# Altium PCB EnvNode.PcbDoc
Units mil, origin at the board's own origin, x right, y up, seen from the top; angles counter-clockwise.
Board outline 2189.76 x 2598.43 mil, 2 copper layers (Top Layer, Bottom Layer), stack 65.792 mil thick; 14 components, 14 nets, 72 pads, 30 vias.
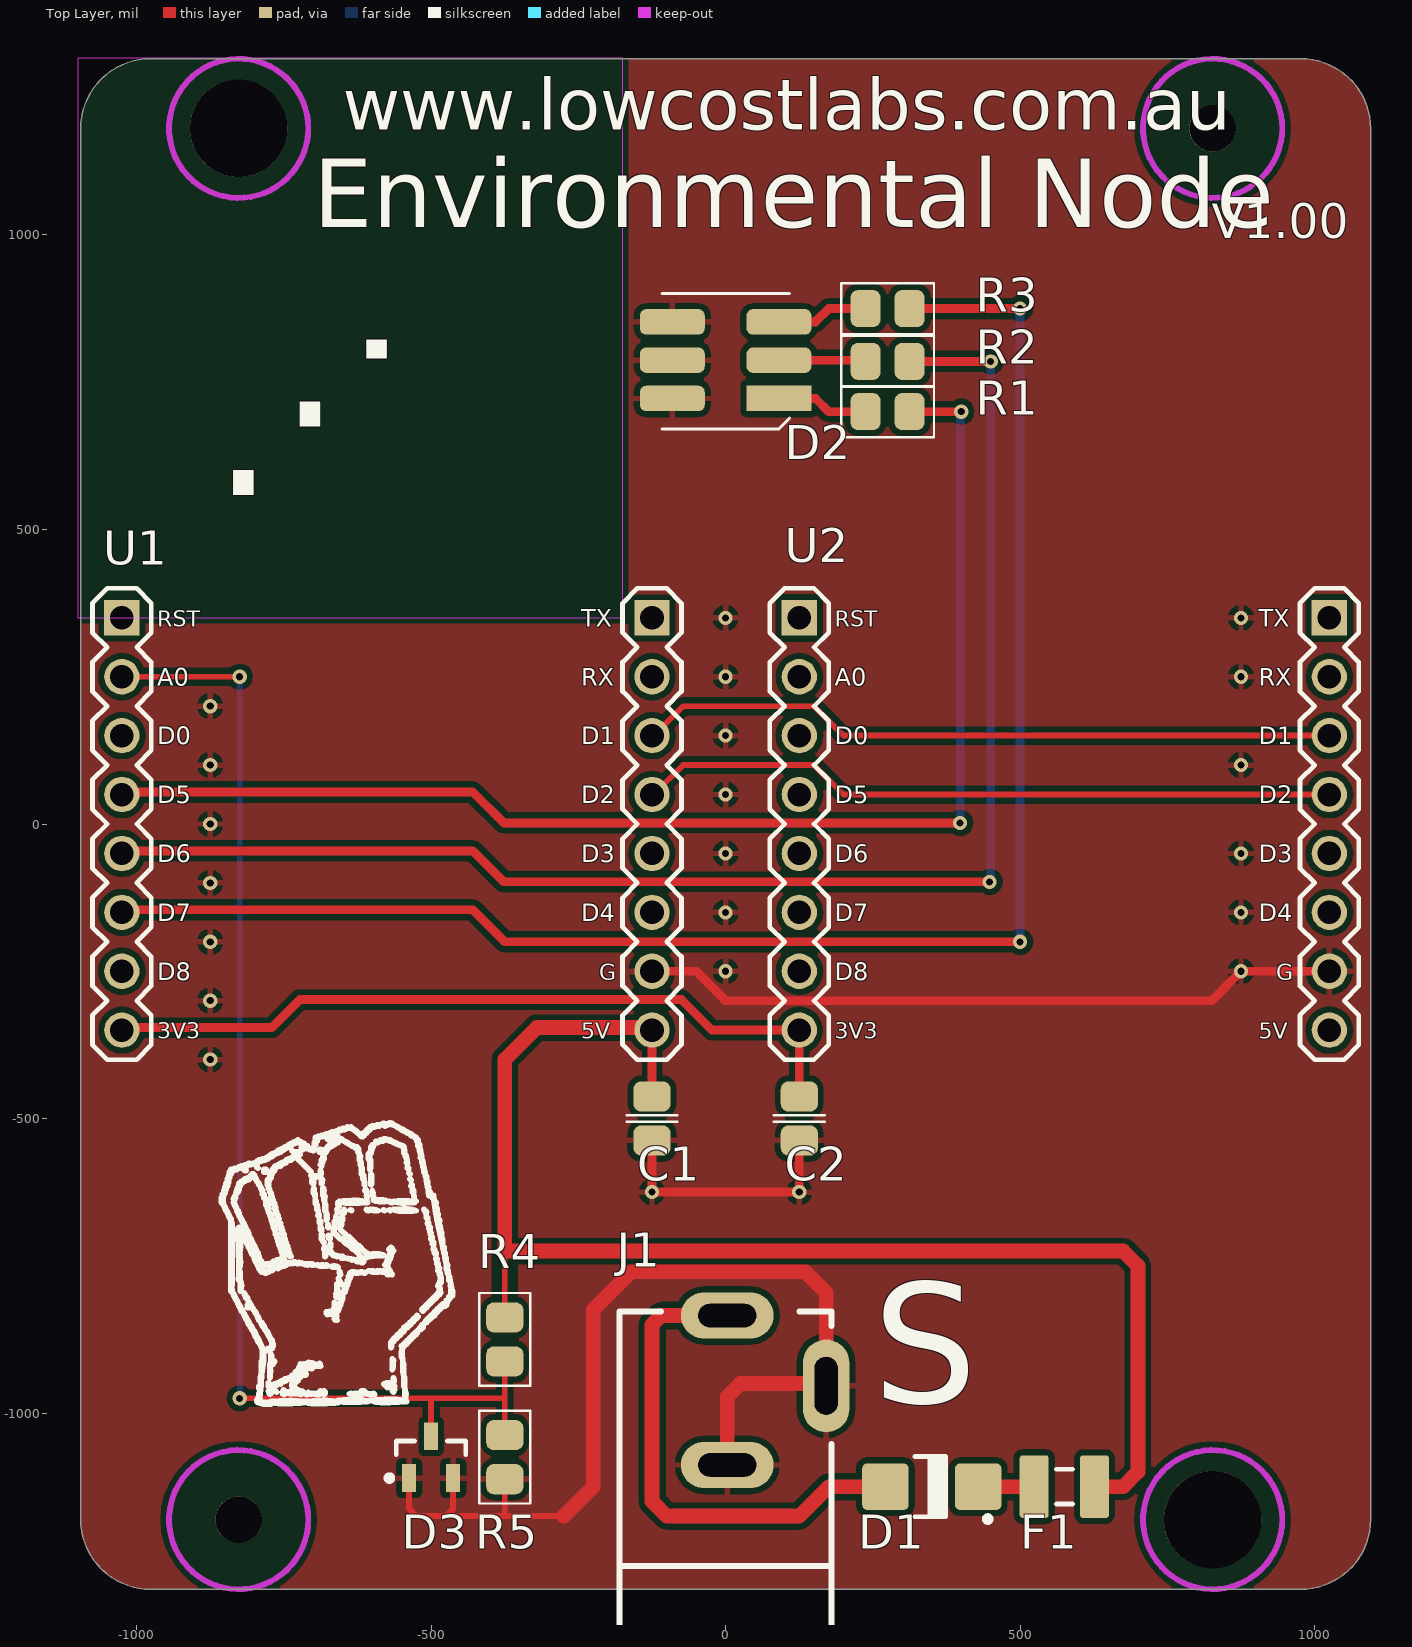
[diagram p0: Top Layer view]
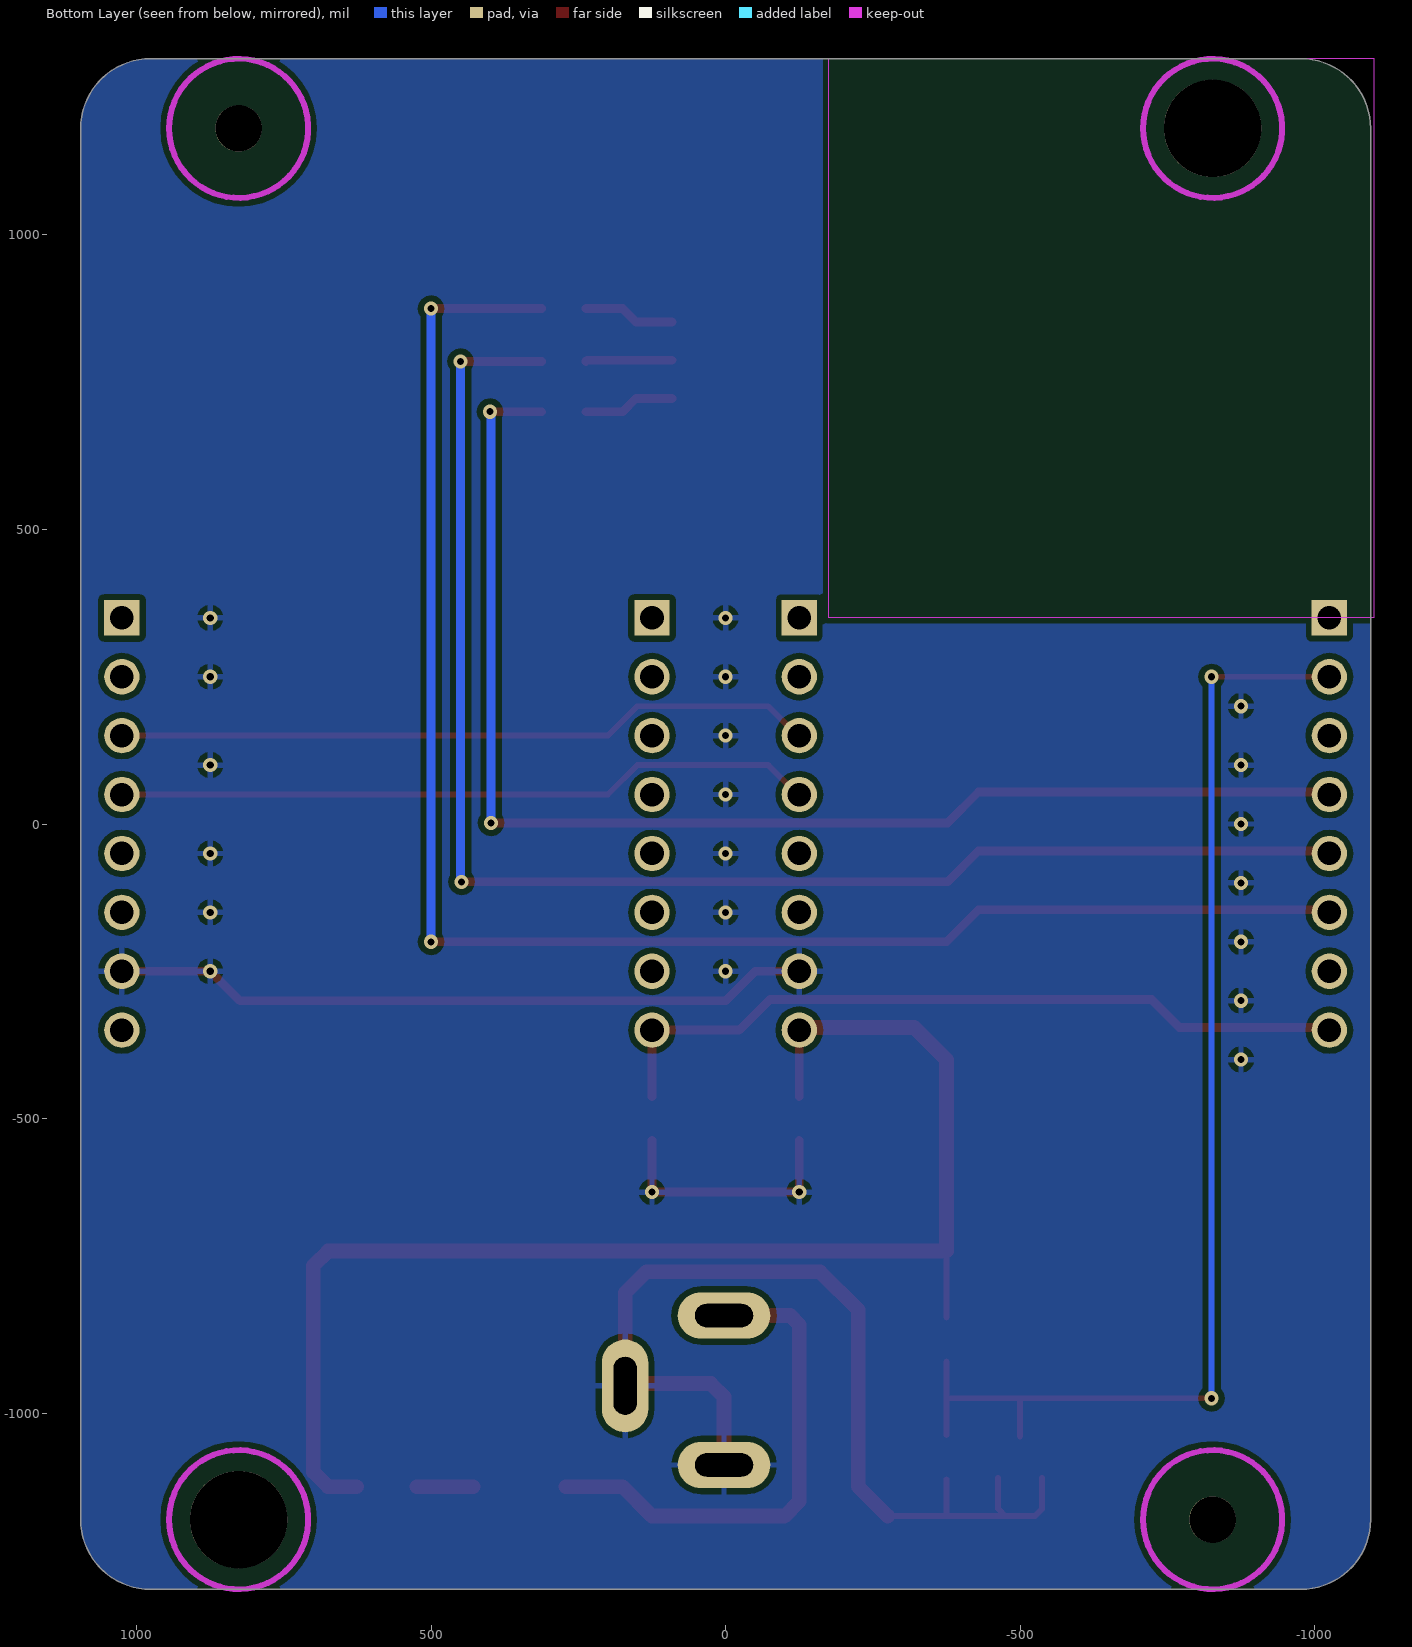
[diagram p1: Bottom Layer view, seen from below]
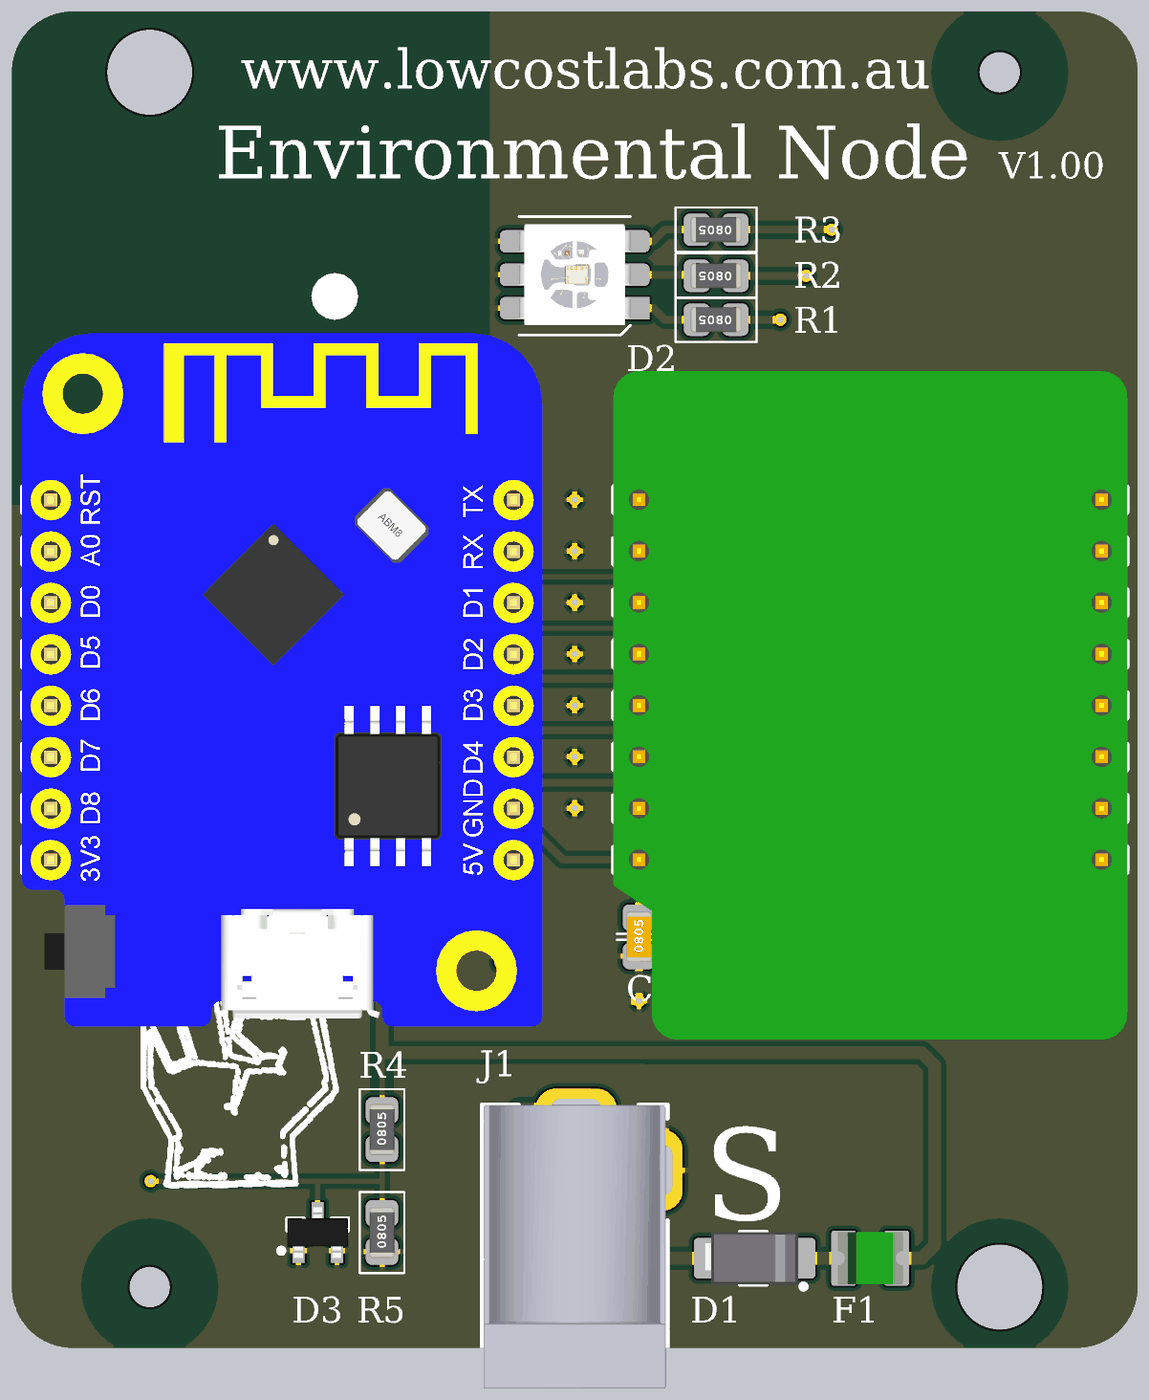
[diagram p2: 3D render of the assembled board from above, using the file's embedded part models]

## Layer stack, top to bottom
Top Solder: solder mask 0.4, Solder Resist, Dk 3.5
Top Layer: signal copper 1.4
Dielectric 1: dielectric 62.9921, FR-4, Dk 4.8
Bottom Layer: signal copper 1.4
Bottom Solder: solder mask 0.4, Solder Resist, Dk 3.5

## Board outline
-1094.88,-1181.1 ccw(c-976.77,-1181.1) -976.77,-1299.21 976.77,-1299.21 ccw(c976.77,-1181.1) 1094.88,-1181.1 1094.88,1181.1 ccw(c976.77,1181.1) 976.77,1299.21 -976.77,1299.21 ccw(c-976.77,1181.1) -1094.88,1181.1

## Design rules (kind name [scope] priority, off if disabled: settings)
Clearance [All] p1: gap=10 ignorepadtopadclearanceinfootprint=FALSE except(0: Arc-Hole Track-Hole SMDPad-Hole THPad-Hole Via-Hole Fill-Hole Poly-Hole Region-Hole Text-Hole)
MinimumSolderMaskSliver [All] p1 off: minsoldermaskwidth=10
PolygonConnect [All] p1: connectstyle=Relief reliefconductorwidth=10 reliefentries=4 polygonreliefangle="90 Angle" airgapwidth=10
RoomDefinition EnvNode [InComponentClass('EnvNode')] p1: confinementstyle=ConfineIn formatcopy=TRUE lockcomponents=FALSE outline -1625,-1875 1625,-1875 1625,1875 -1625,1875
RoutingVias [All] p1: holewidth=12 width=24 viastyle="Through Hole" minholewidth=12 minwidth=24 maxholewidth=28 maxwidth=50
SilkToSilkClearance [All] p1 off: silktosilkclearance=10
SilkToSolderMaskClearance [IsPad] p1 off: minsilkscreentomaskgap=10 clearancetoexposedcopper=TRUE
SolderMaskExpansion [All] p1: expansion=4
Width [All] p1: maxlimit=250 minlimit=8 preferedwidth=10
27 further rules are at their usual default settings.

## Components (designator, comment, footprint, x,y, rotation, side; value= is the part's Value field where it differs from the comment)
C1 "100nF" "CAPACITOR 0805" -125,-500 r90 top value=TBA
C2 "100nF" "CAPACITOR 0805" 125,-500 r90 top value=TBA
D1 "S1M" SMA 350,-1125 r180 top
D2 "RGB LED (PLCC6)" PLCC-6 0,787.4 r180 top
D3 "BAV99" SOT23-3L -500,-1075 r90 top
F1 "500mA" "POLYSWITHC 1210" 575,-1125 r0 top
J1 "Switchcraft RAPC722X" "25mm DC JACK" 0,-1102.36 r0 top
R1 "1k" "RESISTOR 0805" 275,700 r180 top
R2 "1k" "RESISTOR 0805" 275,785.43 r180 top
R3 "1k" "RESISTOR 0805" 275,875 r180 top
R4 "tba" "RESISTOR 0805" -375,-875 r90 top
R5 "1k" "RESISTOR 0805" -375,-1075 r90 top
U1 "WEMOS D1-MINI" "WEMOS PRO MINI" -575,0 r0 top
U2 "WEMOS SHT30" "WEMOS SHIELD" 575,0 r0 top

## Footprints (in the part's own frame and the unit in brackets; to place one, negate y for a bottom-side part, rotate by r counter-clockwise, add the part's x,y. Pads: shape width x height; smd on the part's side, far side on the other; paste and mask are expansions set on the pad)
"25mm DC JACK" [mm]
  oval 4x2 hole 1 slot 2.5 at 0 deg: 1(0.07,6.805) 2(0.07,0.36)
  oval 2x4 hole 1 slot 2.5 at 90 deg: 3(4.335,3.77)
  silkscreen extent -4.57,-6.98 4.57,6.99, body extent -4.5,-7 4.51,7.01, height 11.01
"CAPACITOR 0805" [mm]
  rrect50% 1.3x1.6 smd: 1(-0.95,0) 2(0.95,0)
  silkscreen extent -0.15,-1.1 0.15,1.1, body extent -1.25,-0.62 1.25,0.62, height 0.8
PLCC-6 [mm]
  rect 2.8x1.1 smd: 1(-2.3,1.65)
  rrect50% 2.8x1.1 smd: 2(-2.3,0) 3(-2.3,-1.65) 4(2.3,-1.65) 5(2.3,0) 6(2.3,1.65)
  silkscreen extent -2.75,-2.88 2.75,2.98, body extent -2.75,-2.5 2.75,2.5, height 1.56
"POLYSWITHC 1210" [mm]
  rrect20% 1.25x2.7 smd: 1(-1.3,0) 2(1.3,0)
  silkscreen extent -0.35,-0.75 0.35,0.75, body extent -1.61,-1.29 1.61,1.29, height 0.64
"RESISTOR 0805" [mm]
  rrect50% 1.3x1.6 smd: 1(-0.95,0) 2(0.95,0)
  silkscreen extent -2,-1.1 2,1.1, body extent -1.25,-0.62 1.25,0.62, height 0.8
SMA [mm] "Molded, 2-Leads, Body 4.57x2.92mm"
  rrect20% 2x2 smd: 1(2,0) 2(-2,0)
  silkscreen extent -2.54,-1.3 0.74,1.52, body extent -2.6,-1.3 2.6,1.3, height 1
SOT23-3L [mm] "SOT23, 3-Leads, Body 2.9x1.3mm, Pitch 0.95mm, Lead Span 2.5mm, IPC High Density"
  rect 1.2x0.6 smd: 1(-0.9,0.95) 2(-0.9,-0.95) 3(0.9,0)
  silkscreen extent -1.02,-1.5 0.7,1.92, body extent -1.25,-1.5 1.25,1.5, height 1.12
"WEMOS PRO MINI" [mil]
  rect 60x60 hole 40: 1(-450,350) 16(450,350)
  round 60 hole 40: 2(-450,250) 3(-450,150) 4(-450,50) 5(-450,-50) 6(-450,-150) 7(-450,-250) 8(-450,-350) 9(450,-350) 10(450,-250) 11(450,-150) 12(450,-50) 13(450,50) 14(450,150) 15(450,250)
  silkscreen extent -500,-400 500,400, body extent -500,-674 512,674, height 391
"WEMOS SHIELD" [mil]
  rect 60x60 hole 40: 1(-450,350) 16(450,350)
  round 60 hole 40: 2(-450,250) 3(-450,150) 4(-450,50) 5(-450,-50) 6(-450,-150) 7(-450,-250) 8(-450,-350) 9(450,-350) 10(450,-250) 11(450,-150) 12(450,-50) 13(450,50) 14(450,150) 15(450,250)
  silkscreen extent -500,-400 500,400, body extent -500,-700 500,600, height 372

## Part data
C1 C2: library part Cap, "Capacitor", LatestRevisionDate=17-Jul-2002, LatestRevisionNote="Re-released for DXP Platform.", PackageDescription="Radial Cap, Thru-Hole; 2 Leads; 0.3 in Pin Spacing", PackageReference=RAD-0.3, Published=8-Jun-2000, Publisher="Altium Limited"
D1: library part "DIODE S1M (SMA)", "DIODE S1M"
D2: Farnell Part no.=1003393, Manufacturer=Kingbright, Manufacturer Part No.=WP132XIT, Mouser Part no.=604-WP132XIT, Web link=http://au.mouser.com/Search/Refine.aspx?Keyword=604-WP132XIT
D3: "DUAL DIODE, BAV99", Farnell Part no.=9843612, Manufacturer="FAIRCHILD SEMICONDUCTOR", Mouser Part no.=771-BAV99/T3, Manufacturer Part No.=BAV99, PackageReference=SOT-23, Web link=http://au.mouser.com/ProductDetail/NXP-Semiconductors/BAV99-T3/?qs=sGAEpiMZZMtldOIVIVqa3WNg7zlWz8nBhXHsMX6ttIg%3d
F1: library part "PTC 12V POLYFUSE SMT 1210 1.10A", "PTC 12V POLYFUSE SMT 1210 500mA (1210L110/12WR)"
J1: library part "DC POWER JACK (3mm)", "Conn; AV; Power; Jack; Mini; 2.0mmPinDia; RtAngle; Thru-hole; forS760, S765Plug"
R1 R2 R3 R4 R5: library part Res2, "Resistor", LatestRevisionDate=17-Jul-2002, LatestRevisionNote="Re-released for DXP Platform.", PackageDescription="Axial Device, Thru-Hole; 2 Leads; 0.4 in Pin Spacing", PackageReference=AXIAL-0.4, Published=8-Jun-2000, Publisher="Altium Limited"
U1 U2: library part WEMOS

## Free pads (board coordinates)
  round 10 on Mech4: 1(5082.1,-3582.94) 1(5082.1,-3582.94) 1(5082.62,-3660.05) 1(5082.62,-3660.05) 1(5269.4,-3515.17) 1(5269.4,-3515.17)
  round 78.74 hole 78.74 unplated: HOLE(-826.77,-1181.1) HOLE(826.77,1181.1)
  round 165.35 hole 165.35 unplated: HOLE(-826.77,1181.1) HOLE(826.77,-1181.1)

## Via types
v1: diameter 24, hole 12, Top Layer to Bottom Layer, 30 vias

## Nets (pads, with @x,y where several pads share a name; then routed paths per layer and width w, separated by ;. In a path a pad name is that pad's centre, name@x,y a point inside that pad or via, vN(x,y) a via of type N, cw(c..) or ccw(c..) an arc to the next point about the centre after c; other vN are vias at no path point)
3V3: C2.2 U1.8 U2.8 | length 1296.9
  Top Layer w15: U1.8@-1018.11,-345.67 -770.67,-345.67 -723.17,-298.17 -75,-298.17 -23.17,-350 U2.8 C2.2
5V: C1.2 F1.2 R4.2 U1.9 | length 2356.3
  Top Layer w10: R4.2 -375,-725
  Top Layer w15: C1.2 -125,-352.56 U1.9@-118.11,-345.67
  Top Layer w25: U1.9@-118.11,-345.67 -320.67,-345.67 -375,-400 -375,-725 675,-725 700,-750 700,-1100 675,-1125 F1.2
BLUE: R3.1 U1.6 | length 2803.2
  Top Layer w15: U1.6@-1018.11,-145.67 -429.33,-145.67 -375,-200 v1(500,-200) ; R3.1 v1(500,875)
  Bottom Layer w15: v1(500,-200) v1(500,875)
GND: C1.1 C2.1 D2.4 D2.5 D2.6 D3.1 D3.2 J1.2 J1.3 R5.1 U1.10 U2.10 | length 3329.7
  Top Layer w10: D3.1 -537.4,-1162.6 -525,-1175 -475,-1175 ; D3.2 -462.6,-1162.6 -475,-1175 ; R5.1 -375,-1175 ; -275,-1175 -375,-1175 ; -475,-1175 -375,-1175
  Top Layer w15: C1.1 v1(-125,-625) v1(125,-625) C2.1 ; U1.10 -50,-250 0,-300 825,-300 v1(875,-250) U2.10
  Top Layer w25: -275,-1175 -225,-1125 -225,-825 -160,-760 135,-760 170.66,-795.66 J1.3 166.71,-950 25,-950 2.76,-972.24 J1.2
  other v1: -875,-400 -875,-300 0,-250 -875,-200 0,-150 875,-150 -875,-100 0,-50 875,-50 -875,0 0,50 -875,100 875,100 0,150 -875,200 0,250 875,250 0,350 875,350
GREEN: R1.1 U1.4 | length 2224.6
  Top Layer w15: U1.4@-1018.11,54.33 -429.33,54.33 -376.83,1.83 v1(398.17,1.83) ; R1.1 v1(400,700)
  Bottom Layer w15: v1(398.17,1.83) 398.17,698.17 v1(400,700)
NetD1_1: D1.1 J1.1 | length 861.5
  Top Layer w25: J1.1 -109.45,-834.45 -125,-850 -125,-1150 -100,-1175 125,-1175 175,-1125 D1.1
NetD1_2: D1.2 F1.1 | length 95.1
  Top Layer w25: D1.2 F1.1
NetD2_1: D2.1 R1.2 | length 156.3
  Top Layer w15: D2.1 152.56,722.44 175,700 R1.2
NetD2_2: D2.2 R2.2 | length 147.9
  Top Layer w15: D2.2 235.63,787.4 R2.2
NetD2_3: D2.3 R3.2 | length 156.4
  Top Layer w15: D2.3 152.36,852.36 175,875 R3.2
RED: R2.1 U1.5 | length 2510
  Top Layer w15: U1.5@-1018.11,-45.67 -429.33,-45.67 -376.83,-98.17 v1(448.17,-98.17) ; R2.1 v1(450,785.43)
  Bottom Layer w15: v1(448.17,-98.17) 450,-96.34 v1(450,785.43)
SCL: U1.14 U2.14 | length 1157.7
  Top Layer w10: U1.14@-118.11,154.33 -72.44,200 150,200 200,150 U2.14@1000,150
SDA: U1.13 U2.13 | length 1157.7
  Top Layer w10: U1.13@-118.11,54.33 -72.44,100 150,100 200,50 U2.13@1000,50
V+: D3.3 R4.1 R5.2 U1.2 | length 2064.8
  Top Layer w10: U1.2 v1(-825,250) ; v1(-825,-975) -500,-975 ; D3.3 -500,-975 ; R5.2 -375,-975 ; R4.1 -375,-975 ; -500,-975 -375,-975
  Bottom Layer w10: v1(-825,-975) v1(-825,250)
pads on no net: U1.1 U1.3 U1.7 U1.11 U1.12 U1.15 U1.16 U2.1 U2.2 U2.3 U2.4 U2.5 U2.6 U2.7 U2.9 U2.11 U2.12 U2.15 U2.16

## Polygon pours and split planes (outlines as drawn)
GND on Bottom Layer "BOTTOM GND" (solid, remove dead copper, pour order 2): -1094.88,-1181.1 ccw(c-976.77,-1181.1) -976.77,-1299.21 976.77,-1299.21 ccw(c976.77,-1181.1) 1094.88,-1181.1 1094.88,1181.1 ccw(c976.77,1181.1) 976.77,1299.21 -976.77,1299.21 ccw(c-976.77,1181.1) -1094.88,1181.1
GND on Top Layer "TOP GND" (solid, remove dead copper, pour order 3): -1094.88,-1181.1 ccw(c-976.77,-1181.1) -976.77,-1299.21 976.77,-1299.21 ccw(c976.77,-1181.1) 1094.88,-1181.1 1094.88,1181.1 ccw(c976.77,1181.1) 976.77,1299.21 -976.77,1299.21 ccw(c-976.77,1181.1) -1094.88,1181.1

## Keep-outs
Keep-Out Layer:
  circle w10: c-826.77,1181.1 r118.11
  circle w10: c826.77,1181.1 r118.11
  circle w10: c826.77,-1181.1 r118.11
  circle w10: c-826.77,-1181.1 r118.11
  rectangle: -1100,350 -175,1300

## Silkscreen, mask and mechanical layers (free items; w line width, h text height)
Top Overlay:
  drawing of 3736 lines, arcs and shapes, not listed
  text "www.lowcostlabs.com.au" at -650,1150 h150
  text "Environmental Node" at -700,975 h200
  text "V1.00" at 825,975 h100
  text "⋰" at -875,400 h1000
  text "S" at 250,-1050 h350
Mechanical 1:
  lines w10: -1094.88,-1181.1 ccw(c-976.77,-1181.1) -976.77,-1299.21 0,-1299.21 976.77,-1299.21 ccw(c976.77,-1181.1) 1094.88,-1181.1 1094.88,1181.1 ccw(c976.77,1181.1) 976.77,1299.21 0,1299.21 -976.77,1299.21 ccw(c-976.77,1181.1) -1094.88,1181.1 -1094.88,-1181.1
Mechanical 2:
  lines w10: -393.7,787.4 393.7,787.4 ; -196.85,-1377.95 0,-1377.95 196.85,-1377.95
Mechanical 4:
  drawing of 654 lines, arcs and shapes, not listed
  text "1" at -4645.67,3996.06 h60
  text "2" at -1377.95,3996.06 h60
  text "3" at 1574.8,3996.06 h60
  text "4" at 4389.76,3996.06 h60
  text "A" at -5767.72,3090.55 h60
  text "A" at 5728.35,3090.55 h60
  text "B" at -5787.4,1003.94 h60
  text "B" at 5708.66,1003.94 h60
  text "C" at -5767.72,-1122.05 h60
  text "C" at 5728.35,-1122.05 h60
  text "D" at -5767.72,-3248.03 h60
  text "D" at 5728.35,-3248.03 h60
  text "LOW COST LABS" at 2696.85,-3307.09 h177.17
  text "TITLE: TITLE NAME" at 1377.95,-3523.62 h177.17
  text "ludzinc.blogspot.com.au" at 3759.84,-3562.99 h98.43
  text "SIZE: A4" at 1377.95,-3700.79 h177.17
  text "Revison x.xx" at 2992.13,-3700.79 h78.74
  text "www.lowcostlabs.com.au" at 3740.16,-3700.79 h98.43
  text "DATE:" at 1377.95,-3818.9 h78.74
  text ".Print_Date" at 1614.17,-3818.9 h78.74
  text "SHEET 1 of 1" at 2992.13,-3818.9 h78.74
  text "FILE:" at 1377.95,-3917.32 h78.74
  text ".Pcb_File_Name" at 1614.17,-3917.32 h78.74
  text "S" at -5649.61,-3937.01 h590.55
  text "1" at -4645.67,-4055.12 h60
  text "2" at -1377.95,-4055.12 h60
  text "3" at 1574.8,-4055.12 h60
  text "4" at 4389.76,-4055.12 h60

## Text inside footprints (layer, text, board x,y; h text height)
U1: Top Overlay "D4" at -245,-165 h29.75; Top Overlay "D2" at -245,35 h29.75; Top Overlay "D1" at -245,135 h29.75; Top Overlay "RX" at -245,235 h29.75; Top Overlay "TX" at -245,335 h29.75; Top Overlay "D3" at -245,-65 h29.75; Top Overlay "G" at -215,-265 h27.2; Top Overlay "RST" at -965,335 h27.2; Top Overlay "5V" at -245,-365 h27.2; Top Overlay "D5" at -965,35 h29.75; Top Overlay "D6" at -965,-65 h29.75; Top Overlay "A0" at -965,235 h29.75; Top Overlay "3V3" at -965,-365 h27.2; Top Overlay "D8" at -965,-265 h29.75; Top Overlay "D7" at -965,-165 h29.75; Top Overlay "D0" at -965,135 h29.75
U2: Top Overlay "D0" at 185,135 h29.75; Top Overlay "D7" at 185,-165 h29.75; Top Overlay "D8" at 185,-265 h29.75; Top Overlay "3V3" at 185,-365 h27.2; Top Overlay "A0" at 185,235 h29.75; Top Overlay "D6" at 185,-65 h29.75; Top Overlay "D5" at 185,35 h29.75; Top Overlay "5V" at 905,-365 h27.2; Top Overlay "RST" at 185,335 h27.2; Top Overlay "G" at 935,-265 h27.2; Top Overlay "D3" at 905,-65 h29.75; Top Overlay "TX" at 905,335 h29.75; Top Overlay "RX" at 905,235 h29.75; Top Overlay "D1" at 905,135 h29.75; Top Overlay "D2" at 905,35 h29.75; Top Overlay "D4" at 905,-165 h29.75